# Altium PCB MJVESC_MINI.PcbDoc (part 3 of 3)
Units mm, origin at the board's own origin, x right, y up, seen from the top; angles counter-clockwise.
Board outline 56 x 73 mm, 4 copper layers (Top Layer, Mid Layer 1, Mid Layer 2, Bottom Layer), stack 1.63 mm thick; 162 components, 145 nets, 746 pads, 509 vias.
Unrouted connection lines stored in the file: 3.
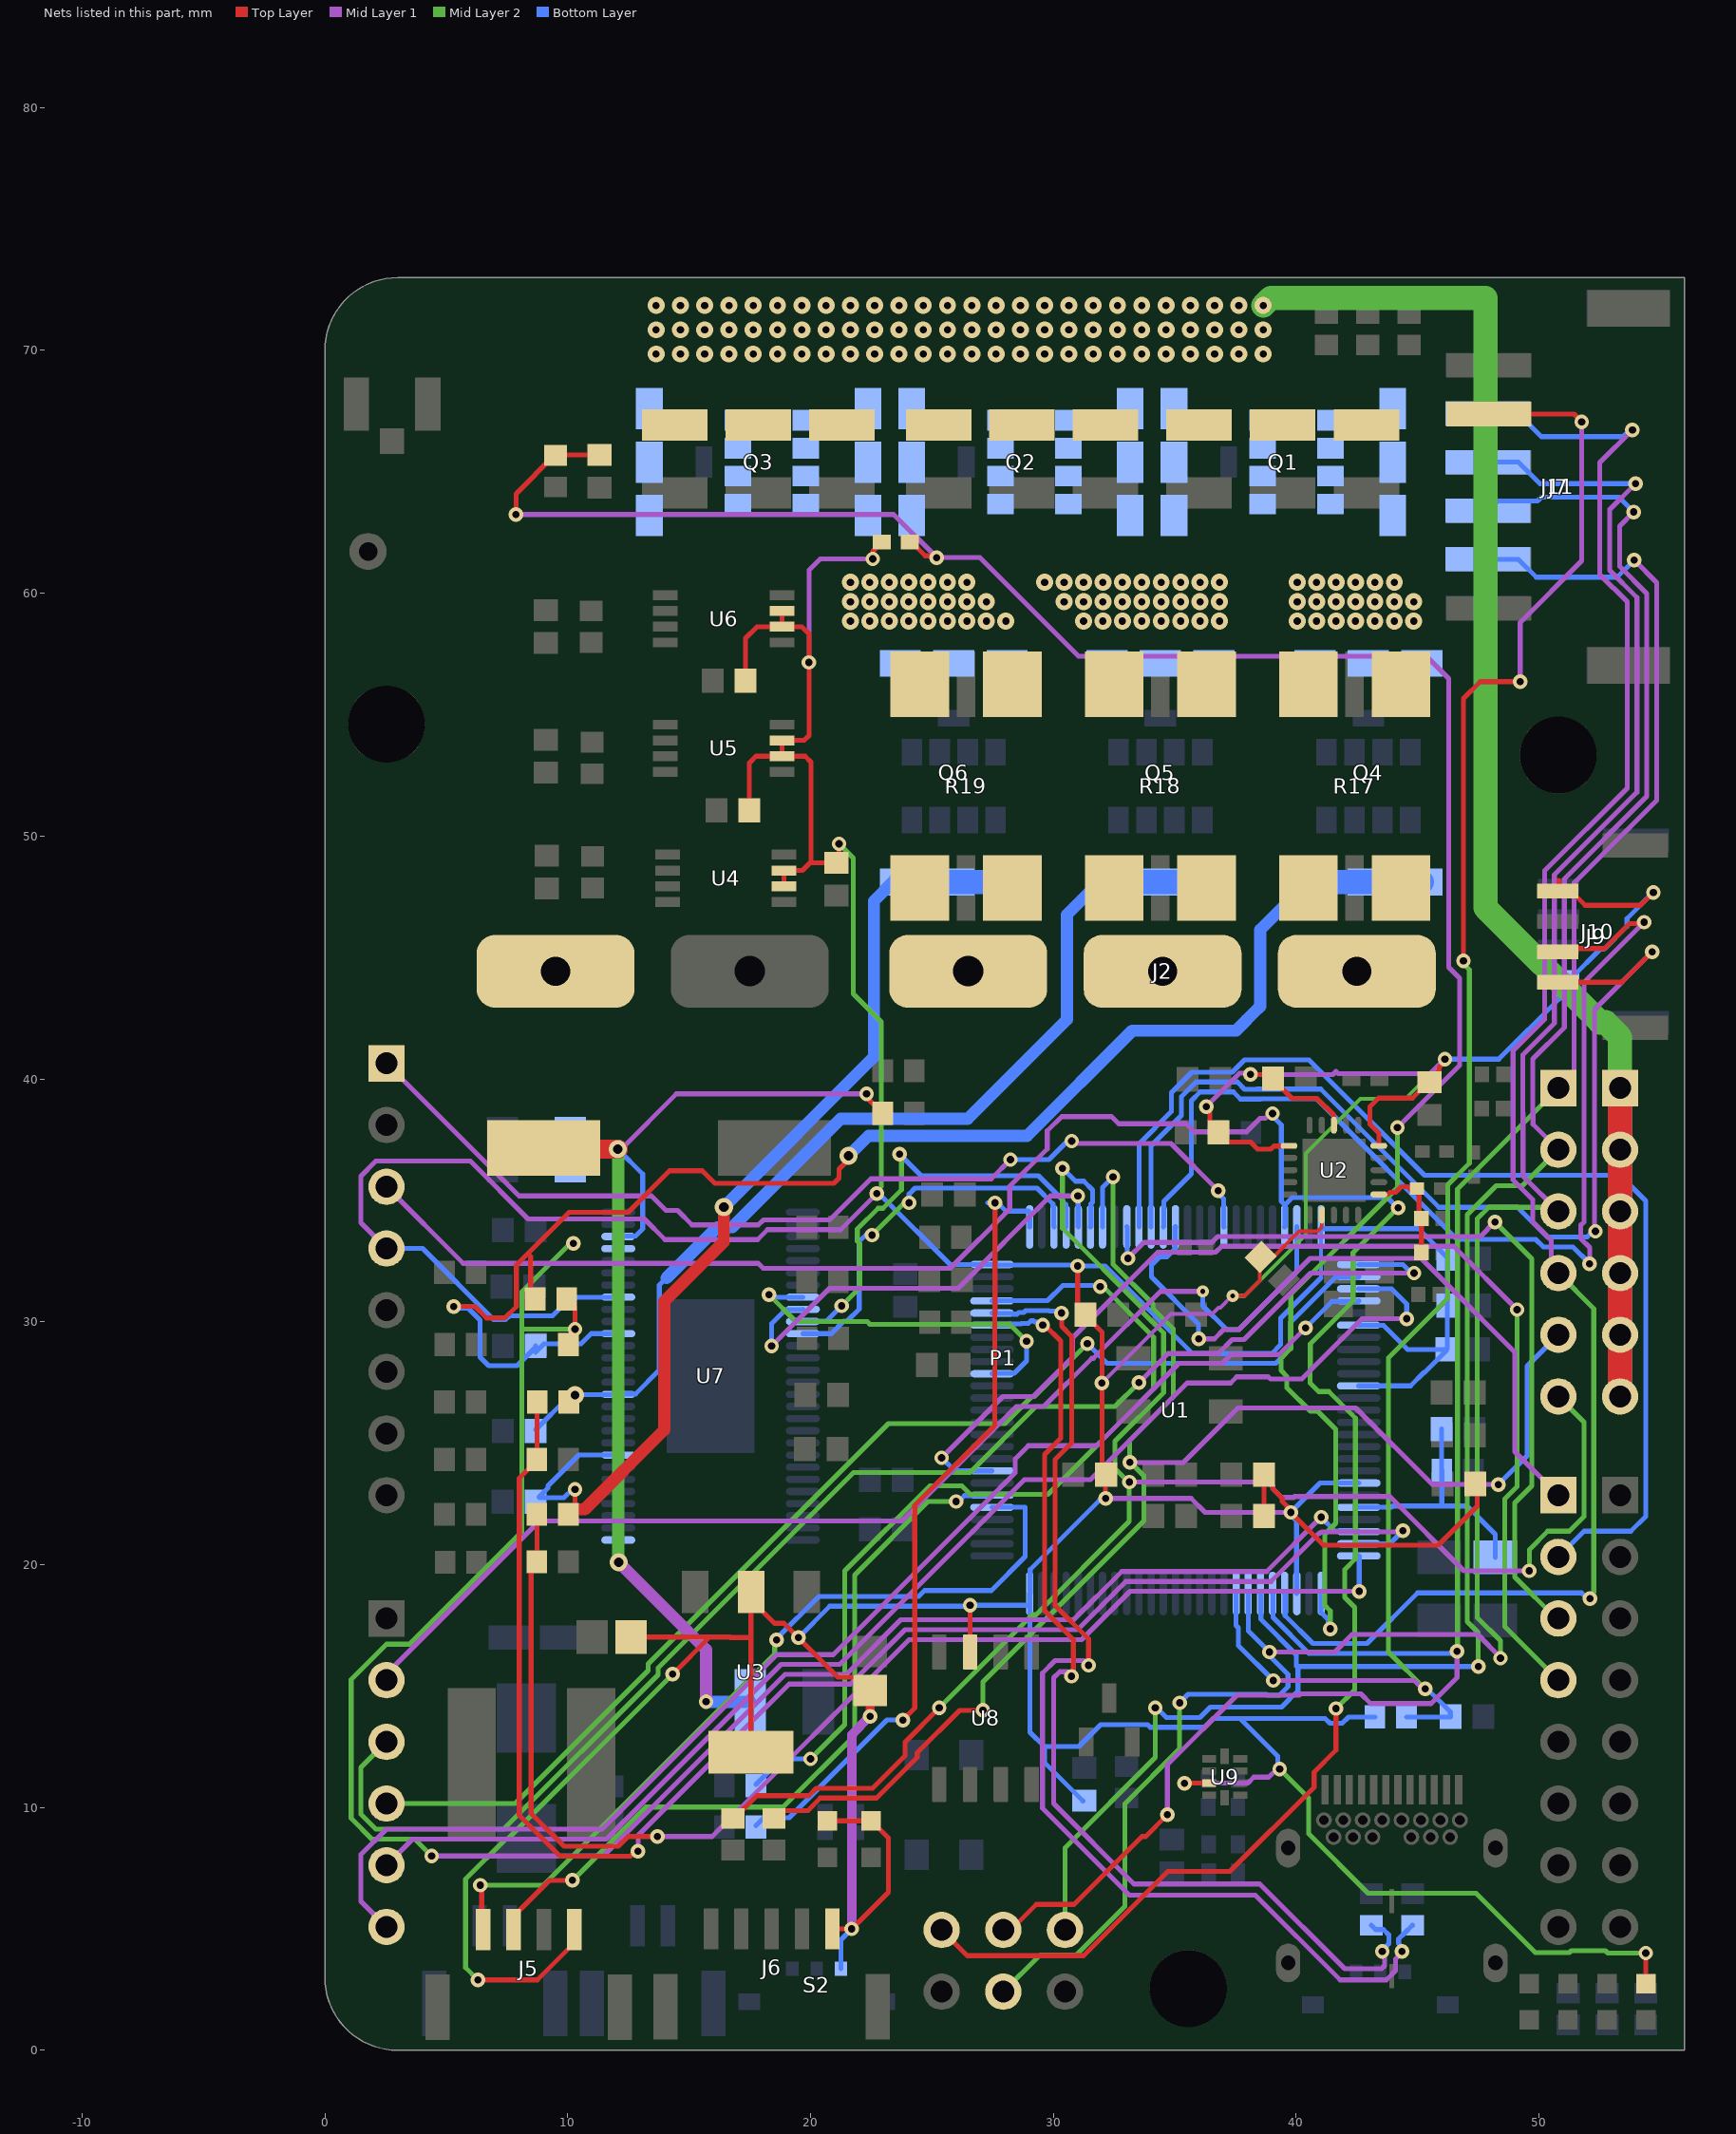
[diagram p5: the nets of this part, all layers, seen from the top]

## Via types
v1: diameter 0.6, hole 0.3, Top Layer to Bottom Layer, tented both sides, 278 vias
v2: diameter 0.7, hole 0.3, Top Layer to Bottom Layer, tented both sides, 176 vias
v3: diameter 0.75, hole 0.4, Top Layer to Bottom Layer, tented both sides, 26 vias
v4: diameter 0.7, hole 0.3, Top Layer to Bottom Layer, tented top, 18 vias
v5: diameter 0.5, hole 0.2, Top Layer to Bottom Layer, tented both sides, 6 vias
v6: diameter 0.5, hole 0.2, Top Layer to Bottom Layer, 4 vias
v7: diameter 0.75, hole 0.35, Top Layer to Bottom Layer, tented both sides, 1 vias

## Nets (pads, with @x,y where several pads share a name; then routed paths per layer and width w, separated by ;. In a path a pad name is that pad's centre, name@x,y a point inside that pad or via, vN(x,y) a via of type N, cw(c..) or ccw(c..) an arc to the next point about the centre after c; other vN are vias at no path point) (continued)
PE0: P1.2 P1.54 U1.97 | length 97.9
  Top Layer w0.203: P1.54@25.4,4.953 26.454,3.899 31.252,3.899 34.718,7.365 37.271,7.365 40.737,10.831 40.737,11.454 41.643,12.359 v1(41.643,14.072)
  Mid Layer 1 w0.203: P1.2@2.54,35.56 5.696,32.404 17.85,32.404 18.059,32.195 25.75,32.195 28.204,34.65 28.204,35.577 29.749,37.122 29.749,37.858 30.341,38.45 32.399,38.45 32.693,38.156 35.458,38.156 35.793,37.821 37.957,37.821 38.51,38.374 38.724,38.374 38.924,38.574 v1(39.031,38.574)
  Mid Layer 2 w0.203: v1(41.643,14.072) 42.412,14.842 42.412,18.233 41.996,18.65 41.996,19.796 42.443,20.244 42.443,26.032 41.349,27.126 40.925,27.126 40.571,27.48 40.571,27.981 40.584,27.994 40.584,29.087 42.345,30.848 42.345,32.846 v1(44.196,34.696)
  Bottom Layer w0.203: v1(39.031,38.574) 39.031,38.466 39.394,38.103 39.394,34.954 39.528,34.82 ; U1.97@39.528,33.909 39.547,33.928 39.547,34.82 39.84,35.113 43.758,35.113 44.175,34.696 v1(44.196,34.696)
PE1: P1.9 U1.98 | length 48.1
  Mid Layer 1 w0.203: P1.9@2.54,15.24 2.54,15.495 8.841,21.796 23.766,21.796 28.481,26.51 29.603,26.51 31.588,28.495 31.65,28.495 34.408,31.253 v5(36.155,31.253)
  Bottom Layer w0.203: v5(36.155,31.253) 36.155,30.656 37.138,29.672 37.639,29.672 40.028,32.061 U1.98@40.028,33.909
PE2: P1.10 U1.1 | length 59.1
  Mid Layer 1 w0.203: v1(33.528,27.497) 34.724,28.693 36.791,28.693 37.365,29.266 37.86,29.266 40.598,32.004 v1(44.856,32.004)
  Mid Layer 2 w0.203: P1.10@2.54,12.7 1.486,11.646 1.486,9.723 2.103,9.106 7.363,9.106 13.721,15.464 13.721,15.744 21.772,23.795 26.566,23.795 29.281,26.51 32.542,26.51 v1(33.528,27.497)
  Bottom Layer w0.203: U1.1@42.578,32.359 44.394,32.359 44.749,32.004 v1(44.856,32.004)
PE3: P1.11 U1.2 | length 50.5
  Mid Layer 2 w0.203: P1.11@2.54,10.16 7.843,10.16 13.315,15.632 13.315,15.913 23.207,25.805 28.001,25.805 29.113,26.916 29.216,26.916 v1(31.4,29.1)
  Bottom Layer w0.203: v1(31.4,29.1) 32.213,28.287 39.164,28.287 39.782,28.904 39.782,29.994 41.628,31.84 42.559,31.84 U1.2@42.578,31.859
PE4: P1.12 U1.3 | length 54.3
  Mid Layer 1 w0.203: P1.12@2.54,7.62 3.62,8.7 11.596,8.7 18.786,15.889 21.202,15.889 28.809,23.497 31.531,23.497 35.509,27.475 37.295,27.475 37.553,27.732 38.858,27.732 38.95,27.64 40.23,27.64 40.584,27.994 42.714,30.124 v1(44.552,30.124)
  Bottom Layer w0.203: U1.3@42.578,31.359 43.926,31.359 44.552,30.733 v1(44.552,30.124)
PE5: P1.13 U1.4 | length 54.3
  Mid Layer 1 w0.203: P1.13@2.54,5.08 1.486,6.134 1.486,8.057 2.534,9.106 11.428,9.106 18.618,16.295 20.941,16.295 28.428,23.783 28.428,24.352 28.972,24.896 31.782,24.896 35.173,28.287 36.959,28.287 37.323,28.651 39.293,28.651 v1(40.386,29.743)
  Bottom Layer w0.203: v1(40.386,29.743) 41.483,30.84 42.559,30.84 U1.4@42.578,30.859
PH_A: J2.1 R17.1
PH_B: J2.2 R18.1
PH_C: J2.3 R19.1
SERVO: P1.0 U1.92 | length 40.9
  Mid Layer 1 w0.203: P1.0@2.54,40.64 8.001,35.179 13.455,35.179 14.045,34.59 14.525,34.59 15.123,33.991 17.856,33.991 18.064,34.2 20.797,34.2 22.483,35.885 27.443,35.885 v1(28.235,36.678) ; v1(30.759,37.44) 30.855,37.344 34.841,37.344 v1(36.789,35.396)
  Bottom Layer w0.203: v1(28.235,36.678) 29.818,36.678 30.58,37.44 v1(30.759,37.44) ; v1(36.789,35.396) 36.789,35.288 37.009,35.068 37.009,33.928 U1.92@37.028,33.909
SH_A: C43.1 Q1.7 Q1.8 Q1.9 Q1.10 Q1.11 Q1.12 Q1.13 Q1.14 Q4.1 Q4.2 Q4.3 Q4.4 Q4.5 Q4.6 R17.2 R33.2 U7.46 | length 62.4
  Top Layer w0.203: v1(5.309,30.632) 6.176,30.632 6.653,30.155 7.413,30.155 7.885,30.627 7.885,32.34 8.357,32.811 ; R33.2@8.661,30.936 8.476,31.122 8.476,32.693 8.357,32.811 ; v3(21.565,36.83) 21.565,36.682 21.173,36.29 21.173,35.918 20.961,35.706 16.059,35.706 15.549,36.215 14.189,36.215 12.487,34.513 10.059,34.513 8.357,32.811
  Bottom Layer w0.203: v1(5.309,30.632) 5.385,30.556 5.909,30.556 6.396,30.07 6.396,28.549 6.749,28.196 7.92,28.196 8.675,28.95 C43.1@8.675,29 ; C43.1@8.675,28.75 9.02,29.095 10.55,29.095 10.967,29.512 U7.46@12.085,29.512
  Bottom Layer w0.5: v3(21.565,36.83) 22.394,37.659 28.924,37.659 33.251,41.986 37.523,41.986 37.958,42.421 37.958,42.431 38.443,42.916 38.452,42.916 38.518,42.982 38.518,46.148 40.476,48.106 Q4.6@40.776,48.106
  Bottom Layer w1: Q4.6@40.776,48.106 Q4.5@42.976,48.106 Q4.4@45.176,48.106
  other v2: 40.043,58.851 40.843,58.851 41.643,58.851 42.443,58.851 43.243,58.851 44.043,58.851 44.843,58.851 40.043,59.651 40.843,59.651 41.643,59.651 42.443,59.651 43.243,59.651 44.043,59.651 44.843,59.651 40.043,60.451 40.843,60.451 41.643,60.451 42.443,60.451 43.243,60.451 44.043,60.451
SH_B: C44.1 Q2.7 Q2.8 Q2.9 Q2.10 Q2.11 Q2.12 Q2.13 Q2.14 Q5.1 Q5.2 Q5.3 Q5.4 Q5.5 Q5.6 R18.2 R36.2 U7.41 | length 42
  Top Layer w0.203: R36.2@10.048,26.724 v7(10.301,26.976)
  Bottom Layer w0.203: C44.1@8.675,25.55 9.997,26.872 10.048,26.872 10.137,26.961 v7@10.137,27.012 ; v7@10.406,27.006 10.418,26.994 12.067,26.994 U7.41@12.085,27.012 12.104,27.031 12.796,27.031 13.776,28.01 13.776,31.511 14.065,31.8
  Bottom Layer w0.5: 14.065,31.8 16.159,33.894 16.777,33.894 21.245,38.362 26.476,38.362 30.563,42.45 30.563,46.762 31.907,48.106 Q5.6@32.207,48.106
  Bottom Layer w1: Q5.6@32.207,48.106 Q5.5@34.407,48.106 Q5.4@36.607,48.106
  other v2: 31.243,58.851 32.043,58.851 32.843,58.851 33.643,58.851 34.443,58.851 35.243,58.851 36.043,58.851 36.843,58.851 30.443,59.651 31.243,59.651 32.043,59.651 32.843,59.651 33.643,59.651 34.443,59.651 35.243,59.651 36.043,59.651 36.843,59.651 29.643,60.451 30.443,60.451 31.243,60.451 32.043,60.451 32.843,60.451 33.643,60.451 34.443,60.451 35.243,60.451 36.043,60.451 36.843,60.451
SH_C: C48.1 Q3.7 Q3.8 Q3.9 Q3.10 Q3.11 Q3.12 Q3.13 Q3.14 Q6.1 Q6.2 Q6.3 Q6.4 Q6.5 Q6.6 R19.2 R39.2 U7.36 | length 43.3
  Top Layer w0.203: R39.2@10.033,22.073 10.233,22.273 10.3,22.34 v1(10.3,23.1)
  Top Layer w0.5: R39.2@10.033,22.073 10.033,22.098 10.208,22.273 10.233,22.273 10.706,22.273 13.982,25.549 13.982,30.845 16.434,33.296 v3(16.434,34.722)
  Bottom Layer w0.203: C48.1@8.812,22.778 9.193,23.159 9.193,23.248 10.457,24.512 U7.36@12.085,24.512 ; C48.1@8.837,22.753 9.846,22.753 10.193,23.1 v1(10.3,23.1)
  Bottom Layer w0.5: v3(16.434,34.722) 22.609,40.897 22.609,47.317 23.398,48.106 Q6.6@23.698,48.106
  Bottom Layer w1: Q6.6@23.698,48.106 Q6.5@25.898,48.106 Q6.4@28.098,48.106
  other v2: 21.643,58.851 22.443,58.851 23.243,58.851 24.043,58.851 24.843,58.851 25.643,58.851 26.443,58.851 27.243,58.851 28.043,58.851 21.643,59.651 22.443,59.651 23.243,59.651 24.043,59.651 24.843,59.651 25.643,59.651 26.443,59.651 27.243,59.651 21.643,60.451 22.443,60.451 23.243,60.451 24.043,60.451 24.843,60.451 25.643,60.451 26.443,60.451
SPI1_DBG: P1.22 R49.2 U1.81 | length 69.4
  Top Layer w0.203: R49.2@16.8,9.55 16.85,9.55 17.788,10.488 19.933,10.488 20.238,10.793 22.553,10.793 23.889,12.128 23.889,12.689 v1(25.3,14.1)
  Mid Layer 1 w0.203: v1(33.128,23.403) 38.861,23.403 39.045,23.219 39.045,23.118 39.399,22.764 39.9,22.764 39.94,22.804 43.854,22.804 46.913,19.745 v1(49.603,19.745)
  Mid Layer 2 w0.203: v1(25.3,14.1) 29.137,17.937 29.291,17.937 33.128,21.773 v1(33.128,23.403) 33.095,23.403 32.543,23.956 32.543,25.082 34.539,27.078 34.539,29.537 33.695,30.38 33.695,30.532 30.378,33.849 v1(30.378,36.322) ; v1(49.603,19.745) 49.603,20.614 50.363,21.374 51.245,21.374 51.854,21.984 51.854,25.87 P1.22@50.8,26.924
  Bottom Layer w0.203: v1(30.378,36.322) 30.911,35.79 31.258,35.79 31.618,35.429 31.618,34.929 31.547,34.857 31.547,33.928 U1.81@31.528,33.909
SPI1_MISO: J11.4 P1.26 P1.50 U1.31 | length 88.8
  Mid Layer 1 w0.203: P1.26@50.8,37.084 49.751,38.133 49.751,38.742 49.746,38.748 49.746,40.823 51.042,42.12 51.042,48.24 54.442,51.639 54.442,59.986 53.32,61.108 53.32,62.769 v1(53.899,63.348)
  Mid Layer 2 w0.203: P1.50@30.48,4.953 30.48,8.335 34.2,12.055 v1(34.2,14.1) ; v1(47.503,15.8) 47.498,15.805 47.498,17.205 47.052,17.652 47.052,34.409 48.242,35.599 49.315,35.599 P1.26@50.8,37.084
  Bottom Layer w0.203: v1(34.2,14.1) 34.265,14.1 34.66,13.705 36.04,13.705 36.467,14.132 39.397,14.132 40.073,14.808 40.073,15.764 40.032,15.804 ; U1.31@38.528,18.809 38.547,18.79 38.547,17.749 40.01,16.286 40.01,15.826 40.032,15.804 ; v1(47.503,15.8) 47.499,15.804 40.032,15.804 ; J11.4@47.9,63.4 48.298,63.798 49.939,63.798 50.092,63.952 53.294,63.952 v1(53.899,63.348)
SPI1_MOSI: J11.3 P1.25 P1.53 U1.32 | length 97.3
  Mid Layer 1 w0.203: v1(38.9,16.4) 41.587,16.4 42.306,17.12 47.473,17.12 48.414,16.178 v1(48.414,16.143) ; P1.25@50.8,34.544 49.345,35.999 49.345,38.574 49.34,38.58 49.34,40.991 50.637,42.288 50.637,48.408 54.036,51.808 54.036,59.818 52.914,60.94 52.914,63.455 v1(53.975,64.516)
  Mid Layer 2 w0.203: P1.53@27.94,2.413 29.426,3.899 30.917,3.899 32.947,5.929 32.947,10.153 35.2,12.406 v1(35.2,14.31) ; v1(48.414,16.143) 48.414,16.864 47.458,17.82 47.458,34.241 47.933,34.717 50.627,34.717 P1.25@50.8,34.544
  Bottom Layer w0.203: v1(35.2,14.31) 35.546,14.656 38.778,14.656 38.812,14.622 39.313,14.622 39.667,14.976 39.667,15.477 38.9,16.243 v1(38.9,16.4) 38.028,17.272 U1.32@38.028,18.809 ; J11.3@47.9,65.4 49.15,65.4 50.034,64.516 v1(53.975,64.516)
SPI1_nCS: J11.2 P1.24 U1.29 | length 73.9
  Mid Layer 1 w0.203: P1.24@50.8,32.004 50.51,32.294 50.51,33.343 49.745,34.107 49.745,35.024 48.934,35.836 48.934,41.159 50.231,42.456 50.231,48.576 53.63,51.976 53.63,59.65 52.508,60.772 52.508,65.386 v1(53.848,66.726)
  Mid Layer 2 w0.203: P1.24@50.8,32.004 52.26,30.544 52.26,18.868 52.1,18.707 v1(52.1,18.6)
  Bottom Layer w0.203: U1.29@39.528,18.809 39.547,18.79 39.547,17.898 40.694,16.751 42.92,16.751 45.004,18.834 51.758,18.834 51.993,18.6 v1(52.1,18.6) ; J11.2@47.9,67.4 49.15,67.4 50.098,66.452 53.466,66.452 53.741,66.726 v1(53.848,66.726)
SPI1_SCK: J11.5 P1.27 P1.52 U1.30 | length 90.2
  Top Layer w0.203: P1.52@27.94,4.953 28.242,4.953 29.297,6.008 30.853,6.008 33.65,8.804 33.804,8.804 v1(34.7,9.7)
  Mid Layer 1 w0.203: v1(34.7,9.7) 34.7,11.755 37.567,14.622 40.122,14.622 40.176,14.676 42.672,14.676 43.068,14.28 45.564,14.28 46.626,15.342 v1(46.626,16.426) ; P1.27@50.8,39.624 51.448,40.272 51.448,48.072 54.848,51.471 54.848,60.442 v1(53.924,61.366)
  Mid Layer 2 w0.203: v1(46.626,16.426) 46.646,16.446 46.646,35.47 P1.27@50.8,39.624
  Bottom Layer w0.203: U1.30@39.028,18.809 39.047,18.79 39.047,17.824 40.525,16.345 46.437,16.345 46.519,16.426 v1(46.626,16.426) ; J11.5@47.9,61.4 49.15,61.4 49.89,60.66 53.218,60.66 v1(53.924,61.366)
SPI1_SRXRD: P1.23 R48.2 U1.82 | length 64.1
  Top Layer w0.203: R48.2@18.5,9.55 18.824,9.873 19.893,9.873 20.406,10.387 22.722,10.387 24.395,12.06 24.395,12.25 26.145,14 v1(27.1,14)
  Mid Layer 1 w0.203: v1(33.147,24.206) 35.351,24.206 37.598,26.453 42.455,26.453 45.61,23.298 v1(48.328,23.298)
  Mid Layer 2 w0.203: v1(27.1,14) 27.1,15.171 33.732,21.803 33.732,23.654 33.18,24.206 v1(33.147,24.206) 33.147,25.113 34.945,26.91 34.945,29.705 34.101,30.548 34.101,30.728 32.461,32.368 v1(32.461,35.966)
  Bottom Layer w0.203: U1.82@32.028,33.909 32.028,35.533 v1(32.461,35.966) ; v1(48.328,23.298) v1(48.328,23.298) 49.505,24.474 49.505,28.169 P1.23@50.8,29.464
SPI3_CS: U1.66 U7.8 | length 15.3
  Mid Layer 2 w0.203: v1(18.288,31.115) 19.399,30.004 22.341,30.004 22.45,29.895 28.204,29.895 v1(28.9,29.2)
  Bottom Layer w0.203: v1(18.288,31.115) 18.395,31.115 18.498,31.012 U7.8@19.685,31.012 ; U1.66@27.478,27.859 27.497,27.878 28.389,27.878 28.9,28.388 v1(28.9,29.2)
SPI3_MISO: U1.79 U7.10 | length 18.2
  Mid Layer 2 w0.203: v1(21.285,30.658) 22.027,31.4 22.027,33.221 21.929,33.319 21.929,33.819 22.786,34.676 22.983,34.676 23.744,35.437 23.744,36.717 23.555,36.906 v1(23.673,36.906)
  Bottom Layer w0.203: U7.10@19.685,30.012 19.704,30.031 20.658,30.031 v1(21.285,30.658) ; v1(23.673,36.906) 23.673,36.896 24.556,36.013 29.391,36.013 30.389,35.015 30.389,34.949 30.509,34.828 30.509,33.928 U1.79@30.528,33.909
SPI3_MOSI: U1.80 U7.9 | length 18.9
  Mid Layer 1 w0.203: v1(18.4,29) 20.783,31.383 26.087,31.383 29.882,35.179 v1(31.013,35.179)
  Bottom Layer w0.203: v1(18.4,29) 18.4,29.92 18.974,30.493 19.666,30.493 U7.9@19.685,30.512 ; v1(31.013,35.179) 31.021,35.172 31.021,33.916 U1.80@31.028,33.909
SPI3_SCK: U1.78 U7.11 | length 15.9
  Mid Layer 2 w0.203: v1(22.534,33.569) 23.864,34.899 v1(24.061,34.899)
  Bottom Layer w0.203: U7.11@19.685,29.512 20.857,29.512 21.371,30.026 21.509,30.026 22.004,30.522 22.004,33.304 22.355,33.655 22.441,33.569 v1(22.534,33.569) ; v1(24.061,34.899) 24.061,35.257 24.309,35.505 29.325,35.505 29.983,34.847 29.983,34.781 30.009,34.754 30.009,33.928 U1.78@30.028,33.909
SPI_SW_MISO: P1.20 U1.85 | length 45.9
  Bottom Layer w0.203: U1.85@33.528,33.909 33.528,37.321 34.869,38.662 34.869,39.438 35.71,40.278 37.366,40.278 37.875,40.787 38.376,40.787 38.441,40.787 40.527,40.787 45.285,36.03 53.346,36.03 54.394,34.981 54.394,21.984 53.785,21.374 51.854,21.374 P1.20@50.8,20.32
SPI_SW_MOSI: P1.19 U1.84 | length 35.1
  Mid Layer 1 w0.203: v1(33.071,32.614) 33.726,33.269 36.52,33.269 36.768,33.517 47.588,33.517 v1(48.184,34.112)
  Mid Layer 2 w0.203: v1(48.184,34.112) 49.704,32.592 49.704,23.246 48.999,22.54 48.999,19.495 50.713,17.78 P1.19@50.8,17.78
  Bottom Layer w0.203: U1.84@33.028,33.909 33.047,33.89 33.047,32.638 v1(33.071,32.614)
SPI_SW_nCS: P1.18 U1.58 | length 47.6
  Mid Layer 1 w0.203: v1(25.4,24.4) 27.916,26.916 29.171,26.916 30.795,28.541 30.795,29.35 34.308,32.863 36.688,32.863 36.936,33.111 46.489,33.111 v1(49.1,30.5)
  Mid Layer 2 w0.203: v1(49.1,30.5) 49.1,23.215 48.593,22.708 48.593,17.447 P1.18@50.8,15.24
  Bottom Layer w0.203: v1(25.4,24.4) 25.941,23.859 U1.58@27.478,23.859
SPI_SW_SCK: P1.21 U1.88 | length 28.6
  Mid Layer 1 w0.203: v1(35.986,29.297) 36.634,29.297 37.009,29.672 37.639,29.672 40.575,32.608 45.146,32.608 49.005,28.75 49.005,24.655 P1.21@50.8,22.86
  Bottom Layer w0.203: U1.88@35.028,33.909 35.009,33.89 35.009,32.998 34.678,32.666 34.372,32.666 34.04,32.335 34.04,31.843 35.981,29.901 35.981,29.301 v1(35.986,29.297)
SWCLK: R4.2 U1.76 | length 33.2
  Top Layer w0.203: v1(23.8,13.6) 24.296,14.096 24.296,22.441 27.584,25.729 27.584,30.313 27.6,30.329 v1(27.6,34.9)
  Bottom Layer w0.203: R4.2@17.75,9.25 18.073,9.573 19.128,9.573 23.155,13.6 v1(23.8,13.6) ; v1@27.3,34.9 27.707,34.9 28.05,34.557 28.983,34.557 29.028,34.513 U1.76@29.028,33.909
SWDIO: R5.2 U1.72 | length 37.1
  Mid Layer 2 w0.203: v1(20,12) 21.413,13.413 21.413,19.742 24.921,23.25 26.231,23.25 26.585,22.896 29.782,22.896 34.133,27.247 34.133,29.367 32.055,31.445 v1(31.928,31.445)
  Bottom Layer w0.203: R5.2@17.75,10.95 18.8,12 v1(20,12) ; U1.72@27.478,30.859 27.489,30.869 29.763,30.869 30.394,31.5 31.873,31.5 v1(31.928,31.445)
TEMP_MOSFET: C50.2 R35.1 R38.1 U1.26 | length 92.9
  Top Layer w0.203: v1(7.874,63.246) 7.874,64.099 9.449,65.674 R38.1@9.499,65.674 9.524,65.699 C50.2@11.303,65.699 ; R35.1@24.088,62.103 24.163,62.103 24.722,61.544 25.124,61.544 v1(25.2,61.468)
  Mid Layer 1 w0.203: v1(7.874,63.246) 23.422,63.246 v1(25.2,61.468) 26.975,61.468 31.039,57.404 45.364,57.404 46.284,56.484 46.284,44.597 46.731,44.15 46.731,40.559 v1(44.171,37.998)
  Mid Layer 2 w0.203: v1(41.402,17.355) 41.402,18.095 41.184,18.313 41.184,21.253 41.632,21.701 41.632,25.568 40.886,26.314 40.588,26.314 39.618,27.284 39.618,27.751 39.375,27.994 39.375,28.497 39.782,28.904 39.782,31.137 44.171,35.526 v1(44.171,37.998)
  Bottom Layer w0.203: U1.26@41.028,18.809 41.028,18.033 41.326,17.735 41.326,17.431 v1(41.402,17.355)
TEMP_MOTOR: C1.2 J7.5 R3.2 U1.33 | length 75.3
  Top Layer w0.203: v1(46.888,44.856) 46.888,55.67 47.581,56.363 v1(49.225,56.363) ; J7.5@47.941,67.379 51.443,67.379 51.759,67.062 v1(51.759,67.056)
  Mid Layer 1 w0.203: v1(39.062,15.226) 44.864,15.226 45.206,14.884 v1(45.314,14.884) ; v1(49.225,56.363) 49.225,58.797 51.759,61.331 v1(51.759,67.056)
  Mid Layer 2 w0.203: v1(45.314,14.884) 43.798,16.4 43.798,28.516 46.24,30.958 46.24,35.638 47.137,36.535 47.137,44.5 46.888,44.749 v1(46.888,44.856)
  Bottom Layer w0.203: U1.33@37.528,18.809 37.528,17.495 37.622,17.401 37.622,16.667 v1(39.062,15.226) ; R3.2@44.541,13.726 C1.2@46.351,13.726 ; v1(45.314,14.884) 45.397,14.884 46.351,13.931 C1.2@46.351,13.726 ; C1.2@46.366,13.741 C1.2@46.351,13.726
USART2_RX: J9.3 U1.87 | length 44.5
  Top Layer w0.203: J9.3@50.765,45.235 50.9,45.37 52.701,45.37 53.726,46.394 54.268,46.394 v1(54.331,46.457)
  Mid Layer 1 w0.203: v1(52.087,32.391) 52.087,33.056 51.724,33.419 51.724,33.977 51.854,34.107 51.854,43.98 v1(54.331,46.457)
  Bottom Layer w0.203: U1.87@34.528,33.909 34.547,33.928 34.547,34.962 35.681,36.096 35.681,39.101 36.046,39.466 37.413,39.466 37.707,39.172 38.544,39.172 38.55,39.178 40.848,39.178 46.628,33.398 49.868,33.398 50.183,33.084 51.395,33.084 v1(52.087,32.391)
USART2_TX: J9.4 U1.86 | length 42.9
  Top Layer w0.203: J9.4@50.765,43.985 53.408,43.985 v1(54.661,45.237)
  Mid Layer 1 w0.203: v1(52.329,33.727) 52.286,33.77 52.286,42.862 v1(54.661,45.237)
  Bottom Layer w0.203: U1.86@34.028,33.909 34.028,37.247 35.275,38.494 35.275,39.27 35.878,39.872 37.581,39.872 37.875,39.578 38.376,39.578 38.382,39.584 41.016,39.584 45.884,34.717 49.124,34.717 50.351,33.49 51.984,33.49 52.221,33.727 v1(52.329,33.727)
USART3_RX: J5.3 U1.56 | length 31.3
  Top Layer w0.203: J5.3@7.775,4.975 7.775,5.525 9.25,7 v1(10.2,7)
  Mid Layer 2 w0.203: v1(10.2,7) 13.214,10.014 18.869,10.014 21.819,12.964 21.819,19.574 24.845,22.6 v1(26,22.6)
  Bottom Layer w0.203: v1(26,22.6) 26.107,22.6 26.348,22.84 27.459,22.84 U1.56@27.478,22.859
USART3_TX: J5.4 U1.55 | length 33.6
  Top Layer w0.203: v1(6.4,6.8) 6.463,6.737 6.463,5.037 J5.4@6.525,4.975
  Mid Layer 2 w0.203: v1(6.4,6.8) 9.004,6.8 18.524,16.32 18.524,16.824 v1(18.6,16.9)
  Bottom Layer w0.203: v1(18.6,16.9) 18.6,16.947 20.346,18.693 24.451,18.693 24.693,18.935 27.446,18.935 28.844,20.333 28.844,22.359 U1.55@27.478,22.359
USB_D_N: R10.1 U1.70 | length 42.8
  Top Layer w0.203: v1(29.562,29.859) 29.65,29.859 30.304,29.205 30.304,25.206 29.637,24.539 29.637,18.105 30.828,16.914 30.828,15.991 30.826,15.989 30.826,15.476 v1(30.75,15.4)
  Mid Layer 1 w0.203: v1(30.75,15.4) 30.558,15.592 30.264,15.592 30.011,15.339 30.011,10.16 33.321,6.85 38.504,6.85 42.002,3.352 43.52,3.352 43.639,3.471 43.639,3.985 v1(43.549,4.075)
  Bottom Layer w0.203: U1.70@27.478,29.859 28.191,29.859 U1.70@28.235,29.904 ; U1.70@28.235,29.904 28.416,29.904 28.422,29.91 28.676,29.91 28.695,29.929 28.967,29.929 29.09,30.052 29.171,30.052 29.232,29.991 29.435,29.991 29.562,29.864 v1(29.562,29.859) ; R10.1@43.1,5.15 43.277,4.973 43.597,4.973 43.818,4.752 43.818,4.396 43.747,4.325 43.747,4.295 43.549,4.097 v1(43.549,4.075)
USB_D_P: R11.1 U1.71 | length 46.2
  Top Layer w0.203: v1(30.341,30.359) 30.341,29.814 30.761,29.394 30.761,25.017 30.071,24.326 30.071,18.317 31.452,16.936 v1(31.452,15.851)
  Mid Layer 1 w0.203: v1(31.452,15.851) 31.253,16.049 30.075,16.049 29.554,15.528 29.554,9.971 33.132,6.393 38.315,6.393 41.813,2.895 43.709,2.895 44.096,3.281 44.096,3.758 44.351,4.013 v1(44.351,4.075)
  Bottom Layer w0.203: U1.71@27.478,30.359 27.497,30.34 28.315,30.34 28.34,30.316 28.508,30.316 28.578,30.386 28.778,30.386 28.855,30.463 29.812,30.463 29.84,30.435 30.265,30.435 v1(30.341,30.359) ; v1(44.351,4.075) 44.249,4.177 44.249,4.367 44.224,4.392 44.224,4.584 44.467,4.827 44.79,5.15 R11.1@44.8,5.15
V_SUPPLY: C14.1 C15.2 C18.2 C23.2 C24.2 C25.2 C26.2 C27.2 C28.2 C37.2 C39.2 C52.2 J1.1 P1.28 P1.29 P1.30 P1.31 P1.32 P1.33 Q1.1 Q1.2 Q1.3 Q1.4 Q1.5 Q1.6 Q2.1 Q2.2 Q2.3 Q2.4 Q2.5 Q2.6 Q3.1 Q3.2 Q3.3 Q3.4 Q3.5 Q3.6 R29.2 U7.29 U7.53 U7.54 | length 132
  Top Layer w0.203: v1(22.312,39.384) 22.312,39.242 R29.2@22.972,38.583
  Top Layer w0.8: C14.1@9.01,37.16 9.061,37.109 v3(12.065,37.109)
  Top Layer w1: P1.33@53.34,26.924 P1.32@53.34,29.464 P1.31@53.34,32.004 P1.30@53.34,34.544 P1.29@53.34,37.084 P1.28@53.34,39.624
  Mid Layer 1 w0.203: v3(12.065,37.109) 12.206,37.109 14.481,39.384 v1(22.312,39.384)
  Mid Layer 1 w0.5: v3(12.1,20.1) 15.7,16.5 v1(15.7,14.351)
  Mid Layer 1 w1: P1.33@53.34,26.924 P1.32@53.34,29.464 P1.31@53.34,32.004 P1.30@53.34,34.544 P1.29@53.34,37.084 P1.28@53.34,39.624
  Mid Layer 2 w0.5: v3(12.065,37.109) 12.083,37.092 12.083,20.117 v3(12.1,20.1)
  Mid Layer 2 w1: v2(38.643,71.851) 38.953,72.161 47.803,72.161 47.803,47.045 52.518,42.329 52.743,42.329 53.34,41.732 P1.28@53.34,39.624 P1.29@53.34,37.084 P1.30@53.34,34.544 P1.31@53.34,32.004 P1.32@53.34,29.464 P1.33@53.34,26.924
  Bottom Layer w0.203: v3(12.065,37.109) 13.09,36.085 13.09,33.824 12.796,33.531 12.104,33.531 U7.54@12.085,33.512 U7.53@12.085,33.012 ; U7.29@12.085,21.012 12.1,20.997 v3(12.1,20.1)
  Bottom Layer w0.5: v1(15.7,14.351) C52.2@17.523,14.351
  Bottom Layer w0.8: C37.2@10.112,37.084 10.138,37.109 v3(12.065,37.109)
  other v2: 13.643,69.851 14.643,69.851 15.643,69.851 16.643,69.851 17.643,69.851 18.643,69.851 19.643,69.851 20.643,69.851 21.643,69.851 22.643,69.851 23.643,69.851 24.643,69.851 25.643,69.851 26.643,69.851 27.643,69.851 28.643,69.851 29.643,69.851 30.643,69.851 31.643,69.851 32.643,69.851 33.643,69.851 34.643,69.851 35.643,69.851 36.643,69.851 37.643,69.851 38.643,69.851 13.643,70.851 14.643,70.851 15.643,70.851 16.643,70.851 17.643,70.851 18.643,70.851 19.643,70.851 20.643,70.851 21.643,70.851 22.643,70.851 23.643,70.851 24.643,70.851 25.643,70.851 26.643,70.851 27.643,70.851 28.643,70.851 29.643,70.851 30.643,70.851 31.643,70.851 32.643,70.851 33.643,70.851 34.643,70.851 35.643,70.851 36.643,70.851 37.643,70.851 38.643,70.851 13.643,71.851 14.643,71.851 15.643,71.851 16.643,71.851 17.643,71.851 18.643,71.851 19.643,71.851 20.643,71.851 21.643,71.851 22.643,71.851 23.643,71.851 24.643,71.851 25.643,71.851 26.643,71.851 27.643,71.851 28.643,71.851 29.643,71.851 30.643,71.851 31.643,71.851 32.643,71.851 33.643,71.851 34.643,71.851 35.643,71.851 36.643,71.851 37.643,71.851
VCC: C7.2 C8.2 C9.2 C10.2 C11.1 C12.1 C13.1 C16.2 C17.2 C29.2 C30.2 C31.2 C54.2 C56.2 C58.1 C59.1 C60.1 D3.1 D4.1 D8.1 J5.1 J6.1 J9.1 J10.1 L1.2 P1.3 R3.1 R35.2 S2.1 U1.6 U1.11 U1.19 U1.28 U1.50 U1.75 U1.100 U2.1 U2.7 U2.15 U2.18 U3.2 U3.4 U4.6 U4.7 U5.6 U5.7 U6.6 U6.7 U7.49 U8.3 U9.8 | length 366.5
  Top Layer w0.152: v5(37.389,31.064) 37.872,31.064 38.502,31.694 38.502,32.637 C60.1@38.537,32.673 39.066,32.673 40.114,33.721 40.889,33.721 41.054,33.887 U2.7@41.054,34.396
  Top Layer w0.203: v1(6.3,2.9) 8.75,2.9 10.275,4.425 J5.1@10.275,4.975 ; C16.2@12.611,17.018 15.85,17.018 ; v1(14.326,15.494) 15.85,17.018 ; C31.2@17.329,56.394 17.329,58.147 17.805,58.623 U6.6@18.825,58.623 ; C30.2@17.475,51.06 17.475,53.01 17.755,53.289 U5.6@18.825,53.289 ; U3.4@17.551,12.27 17.551,17 ; U3.2@17.551,18.87 U3.2@17.551,18.545 ; U6.7@18.825,59.273 U6.6@18.825,58.623 ; U4.6@18.91,47.935 U4.7@18.91,48.585 19.675,48.585 19.985,48.895 ; D8.1@20.7,9.45 D4.1@22.5,9.45 23.204,8.746 23.204,6.504 v1(21.7,5) J6.1@20.9,5 ; v1(21.177,49.682) 21.177,49.011 C29.2@21.062,48.895 19.985,48.895 ; C17.2@22.454,14.821 21.905,15.369 21.123,15.369 18.91,17.583 18.514,17.583 U3.2@17.551,18.545 ; v1(22.561,61.417) 22.561,61.726 R35.2@22.938,62.103 ; U8.3@26.57,16.4 v1(26.57,18.33) ; v1(31,32.3) 31,30.575 32.004,29.571 v1(32.004,27.483) 32.004,23.871 32.3,23.575 32.152,23.427 v1(32.152,22.726) ; v1(35.408,11) U9.8@36.42,11 ; v1(36.297,38.862) 36.297,38.755 36.445,38.606 36.445,38.144 C54.2@36.794,37.795 36.794,37.745 37.142,37.397 38.129,37.397 38.415,37.111 38.956,37.111 39.082,37.237 39.695,37.237 U2.1@39.704,37.246 ; v1(38.125,40.183) 38.628,40.183 38.755,40.31 C58.1@39.055,40.009 39.055,39.959 39.404,39.611 39.423,39.611 39.829,39.205 40.852,39.205 41.545,38.511 41.545,38.105 U2.18@41.554,38.096 ; C13.1@38.675,21.95 C10.2@38.675,23.488 ; C10.2@38.675,23.65 C10.2@38.675,23.488 ; U2.15@43.404,37.246 43.404,37.76 43.033,38.132 43.033,38.858 43.387,39.212 44.788,39.212 45.437,39.861 45.537,39.861 45.886,40.21 45.886,40.47 46.126,40.71 v1(46.126,40.818) ; L1.2@47.26,22.924 47.463,22.924 47.463,22.406 45.853,20.797 41.129,20.797 39.851,22.074 39.851,22.224 39.809,22.224 39.429,22.603 39.429,22.733 39.023,23.139 39.023,23.302 38.837,23.488 C10.2@38.675,23.488 ; 50.821,48.179 50.821,47.79 J9.1@50.765,47.735 51.315,47.735 51.902,47.148 54.183,47.148 v1(54.712,47.676) ; D3.1@54.4,2.75 v1(54.4,4) ; 15.85,17.018 16.692,17.018 16.709,17 17.551,17 ; 17.551,17 U3.2@17.551,18.545 ; U5.6@18.825,53.289 19.779,53.289 20.025,53.044 20.025,48.935 19.985,48.895 ; U5.6@18.825,53.289 U5.7@18.825,53.939 19.736,53.939 19.939,54.142 v1(19.939,57.15) 19.939,58.327 19.643,58.623 U6.6@18.825,58.623
  Top Layer w0.381: v1(22.454,13.754) C17.2@22.454,14.821
  Mid Layer 1 w0.152: v1(32.004,27.483) 34.839,30.318 36.542,30.318 36.806,30.581 36.875,30.581 37.357,31.064 v5(37.389,31.064)
  Mid Layer 1 w0.203: P1.3@2.54,33.02 1.486,34.074 1.486,35.997 2.103,36.614 5.991,36.614 8.372,34.234 13.154,34.234 14.007,33.381 17.819,33.381 18.232,33.794 21.246,33.794 v1(22.733,35.281) ; v1@19.939,57.277 19.939,60.956 20.4,61.417 v1(22.561,61.417) ; v1(32.152,22.726) 35.675,22.726 36.253,22.149 v1(39.776,22.149) ; v1(35.408,11) 38.009,11 38.256,11.247 38.876,11.247 39.212,11.582 v1(39.319,11.582) ; v1(36.297,38.862) 37.668,40.234 38.074,40.234 v1(38.125,40.183) 41.512,40.183 41.639,40.31 41.736,40.213 45.522,40.213 v1(46.126,40.818)
  Mid Layer 1 w0.381: v1(21.7,5) 21.7,13 v1(22.454,13.754)
  Mid Layer 2 w0.152: v5(37.389,31.064) 37.872,31.064 40.397,33.589 40.397,36.937 42.647,39.187 44.496,39.187 v1(46.126,40.818)
  Mid Layer 2 w0.203: v1(6.3,2.9) 5.796,3.404 5.796,7.05 7.445,8.7 7.531,8.7 v1(14.326,15.494) ; v1(21.177,49.682) 21.768,49.092 21.768,43.499 22.917,42.35 22.917,35.572 ; v1(39.319,11.582) 40.513,10.389 40.513,8.917 42.958,6.471 47.409,6.471 49.854,4.026 51.255,4.026 51.334,4.105 52.736,4.105 52.836,4.004 54.395,4.004 v1(54.4,4)
  Bottom Layer w0.152: 41.028,31.814 41.028,33.833 U1.100@41.028,33.909
  Bottom Layer w0.203: P1.3@2.54,33.02 4.02,33.02 6.944,30.096 7.454,30.096 7.6,30.242 9.375,30.242 10.146,31.012 U7.49@12.085,31.012 ; v1(19.5,16.993) 20.794,18.287 26.649,18.287 26.692,18.33 29.018,18.33 U1.50@29.028,18.34 ; S2.1@21.25,3.355 21.25,4.55 v1(21.7,5) ; v1(22.733,35.281) 22.809,35.205 22.901,35.205 25.747,32.359 U1.75@27.478,32.359 27.497,32.34 v1@30.981,32.34 ; v1@31.022,32.3 32.128,32.3 35.735,28.693 38.996,28.693 39.365,29.061 39.365,30.151 41.028,31.814 ; C56.2@31.22,10.272 29.635,11.857 29.635,12.505 ; v1@31.976,22.724 31.976,22.658 31.968,22.65 31.902,22.65 29.047,19.794 29.047,18.828 U1.50@29.028,18.809 U1.50@29.028,18.34 ; v1(39.319,11.582) 39.243,11.658 39.243,12.111 37.687,13.667 ; U1.28@40.028,18.809 40.017,18.821 40.017,21.801 39.776,22.041 v1(39.776,22.149) 40.987,23.359 U1.19@42.578,23.359 ; U1.100@41.028,33.833 45.039,33.833 46.228,32.644 46.228,28.9 C9.2@46.188,28.86 ; U1.11@42.578,27.359 44.708,27.359 45.268,27.919 45.298,27.919 46.188,28.81 C9.2@46.188,28.86 ; U1.6@42.578,29.859 43.592,29.859 44.591,28.86 C9.2@46.188,28.86 ; R3.1@43.241,13.726 42.152,13.726 41.893,13.467 41.392,13.467 41.192,13.667 37.687,13.667 ; v1(46.126,40.818) 48.348,40.818 50.809,43.279 J10.1@50.809,44.176 51.359,44.176 52.523,45.34 52.672,45.34 53.623,46.291 53.623,46.604 54.695,47.676 v1(54.712,47.676) ; U1.50@29.028,18.34 29.04,18.329 29.04,13.1 29.635,12.505 ; 29.635,12.505 31.05,12.505 31.95,13.404 33.885,13.404 33.99,13.299 36.208,13.299 36.576,13.667 37.687,13.667
VDD_PA: C66.2 C67.2 L5.2 U2.11 | length 4.5
  Top Layer w0.203: U2.11@43.404,35.246 43.784,35.246 43.867,35.329 44.094,35.329 44.325,35.56 44.599,35.56 44.797,35.361 44.921,35.484 L5.2@44.971,35.484 45.064,35.391 45.064,34.349 C67.2@45.158,34.255 C66.2@45.158,32.851
VOLTAGE_1: R33.1 R34.1 U1.23 | length 80.6
  Top Layer w0.203: R33.1@9.961,30.936 10.3,30.598 v1(10.3,29.7) 10.033,29.433 R34.1@10.033,29.058
  Mid Layer 1 w0.203: v1(4.4,8) 11.471,8 18.954,15.483 21.48,15.483 23.722,17.726 30.834,17.726 32.821,19.712 38.788,19.712 v1(41.027,21.951)
  Mid Layer 2 w0.203: v1(4.4,8) 3.7,8.7 1.935,8.7 1.08,9.555 1.08,15.271 2.534,16.726 3.48,16.726 8.111,21.356 8.111,31.236 10.098,33.223 v1(10.236,33.223) ; 8.114,29.7 v1(10.3,29.7)
  Bottom Layer w0.203: v1(41.027,21.951) 41.601,21.378 42.559,21.378 U1.23@42.578,21.359
VOLTAGE_2: R36.1 R37.1 U1.24 | length 62.4
  Top Layer w0.203: R36.1@8.748,26.695 8.733,26.68 R37.1@8.733,24.333 8.733,24.283 8.004,23.554 8.004,9.672 9.685,7.991 12.583,7.991 12.793,8.2 v1(12.9,8.2)
  Mid Layer 1 w0.203: v1(12.9,8.2) 12.9,8.855 19.123,15.077 21.648,15.077 23.89,17.32 31.002,17.32 32.989,19.306 38.958,19.306 40.919,21.267 40.923,21.267 40.94,21.284 40.948,21.284 40.963,21.299 40.974,21.299 40.986,21.312 41,21.312 41.011,21.323 41.028,21.323 41.037,21.332 41.057,21.332 41.064,21.338 41.087,21.338 41.091,21.343 41.118,21.343 41.12,21.346 41.149,21.346 ; 41.15,21.347 44.348,21.347 v1(44.402,21.401)
  Bottom Layer w0.203: U1.24@42.578,20.859 43.86,20.859 v1(44.402,21.401)
VOLTAGE_3: R39.1 R40.1 U1.25 | length 52.9
  Top Layer w0.203: R39.1@8.733,22.073 R40.1@8.733,20.117 8.495,19.879 8.495,9.754 9.853,8.397 12.085,8.397 12.493,8.804 13.696,8.804 v1(13.7,8.8)
  Mid Layer 1 w0.203: v1(13.7,8.8) 15.945,8.8 24.059,16.914 31.171,16.914 33.157,18.9 v1(42.6,18.9)
  Bottom Layer w0.203: U1.25@42.578,20.359 42.6,20.337 v1(42.6,18.9)
VREF+: C21.1 C22.1 R13.2 U1.21 | length 10.2
  Bottom Layer w0.203: U1.21@42.578,22.359 43.931,22.359 43.984,22.412 46,22.412 ; C22.1@45.985,25.578 45.985,23.896 R13.2@45.999,23.882 46,22.412 ; C21.1@48.2,20.3 48.2,21.252 47.041,22.412 46,22.412
pads on no net: J3.M J4.M J5.M J6.M J7.P1 J7.P2 J8. J8.A2 J8.A3 J8.A5 J8.A8 J8.A10 J8.A11 J8.B2 J8.B3 J8.B5 J8.B8 J8.B10 J8.B11 J9.M J10.M J11.P1 J11.P2 P1.1 P1.7 P1.14 P1.15 P1.100 S2. S3. S3.2 U1.5 U1.7 U1.8 U1.9 U1.37 U1.38 U1.39 U1.40 U1.41 U1.42 U1.43 U1.44 U1.45 U1.46 U1.57 U1.61 U1.62 U1.77 U2.6 U2.21 U4.4 U5.4 U6.4 U7.4 U7.5 U7.12 U7.25 U7.26 U7.55 U8.5 U8.8 U9.7 U9.9
copper on no net: | length 0.9
  Bottom Layer w0.203: 52.493,57.023 52.538,57.023 53.126,57.611
  other v6: 41.004,35.696 42.104,35.696 41.004,36.796 42.104,36.796

## Polygon pours and split planes (outlines as drawn)
GND on Bottom Layer "GND_L04_P050" (solid, pour order 50): 13.605,45.009 13.605,41.961 0,41.961 0,0 33.68,0 cw(c35.547,2.539) 37.414,0 56,0 56.003,24.428 56.006,42.24 21.9,42.24 21.9,45.009
GND on Bottom Layer "GND_L04_P054" (solid, pour order 54): 55.626,41.732 55.626,72.665 46.103,72.665 46.099,60.683 46.863,59.918 46.863,41.732
SH_A on Bottom Layer "SH_A_L04_P006" (solid, pour order 6): 43.387,61.239 44.425,61.239 45.466,60.198 45.466,58.428 46.084,57.81 46.084,56.49 39.141,56.49 39.141,60.63 37.846,61.925 37.846,68.4 42.342,68.4 42.342,62.285 ccw(c43.387,62.285)
SH_B on Bottom Layer "SH_B_L04_P012" (solid, pour order 12): 27.178,62.027 31.166,58.039 31.166,56.49 37.795,56.49 37.795,60.046 36.601,61.239 32.833,61.239 31.369,62.704 31.369,68.4 27.178,68.4
SH_C on Bottom Layer "SH_C_L04_P014" (solid, pour order 14): 29.635,56.252 29.635,58.198 26.884,60.95 21.829,60.95 20.574,62.205 20.574,68.428 16.256,68.428 16.256,61.595 19.99,57.861 21.599,56.252
GND on Bottom Layer "GND_L04_P008" (solid, pour order 8): 13.598,41.157 21.92,41.157 21.92,50.038 46.203,50.038 46.203,54.102 20.961,54.102 20.961,56.128 16.688,60.401 13.605,60.401
V_SUPPLY on Bottom Layer "V_SUPPLY_L04_P044" (solid, pour order 44): 43.18,62.23 44.7,62.23 44.7,72.644 6,72.644 6,42.596 12.9,42.596 12.9,62.23 13.995,62.23 13.995,63.654 13.995,69.367 21.7,69.367 21.7,62.23 24.892,62.23 24.892,69.367 32.512,69.367 32.512,62.23 35.687,62.23 35.687,69.367 43.18,69.367
GND on Top Layer "GND_L01_P048" (solid, pour order 48): 13.564,46.863 13.564,41.605 12.09,40.132 12.09,35.484 11.659,35.052 6.34,35.052 5.671,35.72 5.671,39.929 0.032,39.929 0.032,0.002 33.713,0.002 cw(c35.58,2.541) 37.447,0.002 56.032,0.002 56.036,24.43 56.042,72.415 46.888,72.415 46.888,42.215 21.89,42.215 21.89,46.863
V_SUPPLY on Top Layer "V_SUPPLY_L01_P056" (solid, pour order 56): 6.049,35.647 11.557,35.647 11.557,40.386 13.056,41.885 13.056,45.822 ccw(c12.649,45.822) 12.649,46.228 6.502,46.228 ccw(c6.502,45.775) 6.049,45.775
PH_C on Top Layer "PH_C_L01_P022" (solid, pour order 22): 23.114,42.8 29.82,42.8 29.82,49.246 27.102,49.246 27.102,46.152 25.705,46.152 25.705,49.246 23.114,49.246
GND on Top Layer "GND_L01_P026" (solid, pour order 26): 6.107,64.973 6.107,46.838 13.564,46.838 13.564,42.418 21.753,42.418 21.753,49.657 20.828,49.657 20.828,62.408 21.666,63.246 44.8,63.246 44.8,64.973
SH_C on Top Layer "SH_C_L01_P016" (solid, pour order 16): 23.114,54.9 25.705,54.9 25.705,57.872 27.102,57.872 27.102,54.9 29.642,54.9 29.642,58.191 26.942,60.891 21.122,60.891 21.122,58.603 21.853,57.872 23.114,57.872
SH_B on Top Layer "SH_B_L01_P018" (solid, pour order 18): 31.166,54.928 33.698,54.928 33.698,57.9 35.069,57.9 35.069,54.928 37.592,54.928 37.592,60.249 36.601,61.239 28.962,61.239 28.962,60.227 31.166,58.024
V_SUPPLY on Top Layer "V_SUPPLY_L01_P024" (solid, pour order 24): 12.751,66.271 12.751,72.644 39.446,72.644 39.446,68.301 44.6,68.301 44.6,66.271
SH_A on Top Layer "SH_A_L01_P002" (solid, pour order 2): 39.3,54.875 41.713,54.875 41.713,57.9 43.104,57.9 43.104,54.875 45.877,54.875 45.877,59.702 44.339,61.239 39.3,61.239
PH_A on Top Layer "PH_A_L01_P004" (solid, pour order 4): 39.153,42.8 45.877,42.8 45.877,49.301 43.104,49.301 43.104,46.152 41.713,46.152 41.713,49.301 39.153,49.301
PH_B on Top Layer "PH_B_L01_P020" (solid, pour order 20): 31.166,42.8 37.813,42.8 37.813,49.217 35.069,49.217 35.069,46.152 33.698,46.152 33.698,49.217 31.166,49.217
GND on Mid Layer 1 "GND_L02_P052" (solid, pour order 52): 13.538,46.228 13.538,41.961 0,41.961 0,3 ccw(c3,3) 3,0 33.68,0 cw(c35.547,2.538) 37.414,0 56,0 56.003,24.428 56,73 46.406,73 46.406,42.24 21.895,42.24 21.895,46.228
SH_C on Mid Layer 1 "SH_C_L02_P042" (solid, pour order 42): 29.643,58.19 29.643,57.887 21.886,57.887 21.082,58.69 21.082,60.96 26.873,60.96
SH_B on Mid Layer 1 "SH_B_L02_P038" (solid, pour order 38): 28.956,61.239 28.956,60.232 31.135,58.034 37.795,58.034 37.795,60.046 36.601,61.239
SH_A on Mid Layer 1 "SH_A_L02_P034" (solid, pour order 34): 39.141,61.239 39.141,57.912 45.877,57.912 45.877,61.239
V_SUPPLY on Mid Layer 2 "V_SUPPLY_L03_P058" (solid, pour order 58): 46.533,46.533 52.443,40.623 52.443,25.527 55.347,25.527 55.347,42.113 48.793,48.666 48.793,72.746 44.243,72.746 44.243,69.875 46.533,69.875
GND on Mid Layer 2 "GND_L03_P046" (solid, pour order 46): 13.724,46.5 13.724,41.961 0,41.961 0,3 ccw(c3,3) 3,0 33.68,0 cw(c35.547,2.538) 37.414,0 56,0 56,18.669 52.07,18.669 52.07,40.005 49.86,42.215 22.708,42.215 21.895,43.028 21.895,46.5
SH_C on Mid Layer 2 "SH_C_L03_P040" (solid, pour order 40): 29.642,58.191 29.642,57.881 21.875,57.881 21.064,58.692 21.064,60.96 26.873,60.96
SH_B on Mid Layer 2 "SH_B_L03_P036" (solid, pour order 36): 31.2,57.881 37.795,57.881 37.795,60.046 36.601,61.239 28.962,61.239 28.962,60.119
SH_A on Mid Layer 2 "SH_A_L03_P032" (solid, pour order 32): 39.141,61.239 39.141,57.912 45.877,57.912 45.877,61.239
GND on Mid Layer 2 "GND_L03_P030" (solid, pour order 30): 13.724,40.996 21.895,40.996 21.895,50 45.929,50 45.929,54.2 20.32,54.2 20.32,61.087 19.624,61.783 13.724,61.783
V_SUPPLY on Mid Layer 2 "V_SUPPLY_L03_P010" (solid, pour order 10): 6.104,42.57 13.1,42.57 13.1,66.2 44.729,66.2 44.729,72.644 6.104,72.644

## Keep-outs
Keep-Out Layer:
  circle w0.1: c35.56,2.54 r2.8
  lines w0.254: 0,3 ccw(c3,3) 3,0 56,0 56,73 3,73 ccw(c3,70) 0,70 0,3

## Silkscreen, mask and mechanical layers (free items; w line width, h text height)
Top Overlay:
  lines w0.254: 33.753,14.739 33.753,19.228 48.387,19.228 48.387,14.739 33.753,14.739
  text "." at 46.915,58.146 h2 r90
  text "HALL/ENC" at 49.514,55.27 h0.7
  text "." at 50.821,49.434 h2 r90
  text "Arduino Compatible" at 4.962,34.888 h0.7 r90
  text "MJVESC v0.1 / DRCL-MJU,CDI" at 34.099,14.926 h1.2
  text "USB Type-C" at 39.563,11.863 h0.9
  text "R G B" at 34.6,6.8 h0.9
  text "CAN Term.  / Res. on" at 34.18,6.673 h0.6 r90
  text "UART3" at 7.3,6.4 h0.9
  text "JTAG" at 15.2,6.2 h0.9
  text "DBG" at 19.6,6.1 h0.7
  text "SRX" at 22,6.1 h0.7
  text "." at 12.319,5 h2 r90
  text "." at 22.909,4.975 h2 r90
Bottom Overlay:
  text "." at 46.402,70.418 h2 r90
  text "." at 50.9,42.24 h2 r90
  text "CAN" at 13.6,6.3 h0.9
  text "CAN" at 6.8,6.2 h0.9
  text "." at 11.201,5.089 h2 r90
  text "." at 4.724,5.063 h2 r90
  text "CAN Term.  / ResistorSW" at 23.5,4.75 h0.7
  text "OTG ON      OFF" at 48.125,0.6 h0.5
  text "ON     OFF" at 22.5,0.5 h0.5
Board Outline:
  the board outline again, w0.203

## Dimensions
0,73 to 0,0 on Top Layer
0,73 to 56,73.635 on Top Layer

## Text inside footprints (layer, text, board x,y; h text height)
P1: Top Overlay "MISO" at 29.972,9.017 h0.51 r270; Top Overlay "SCK" at 27.305,8.763 h0.51 r270; Top Overlay "5V" at 30.815,7.437 h0.51 r270; Top Overlay "MOSI" at 28.194,8.128 h0.51 r270; Top Overlay "/RST" at 24.638,9.144 h0.51 r270; Top Overlay "GND" at 25.527,7.874 h0.51 r270